# Altium PCB SX-SCPCB-038.PCB_DTMF密码锁模块PCB图V1.2.PcbDoc (part 1 of 2)
Units mm, origin at the board's own origin, x right, y up, seen from the top; angles counter-clockwise.
Board outline 230 x 100.2 mm, 2 copper layers (Top Layer, Bottom Layer); 112 components, 86 nets, 403 pads, 151 vias.
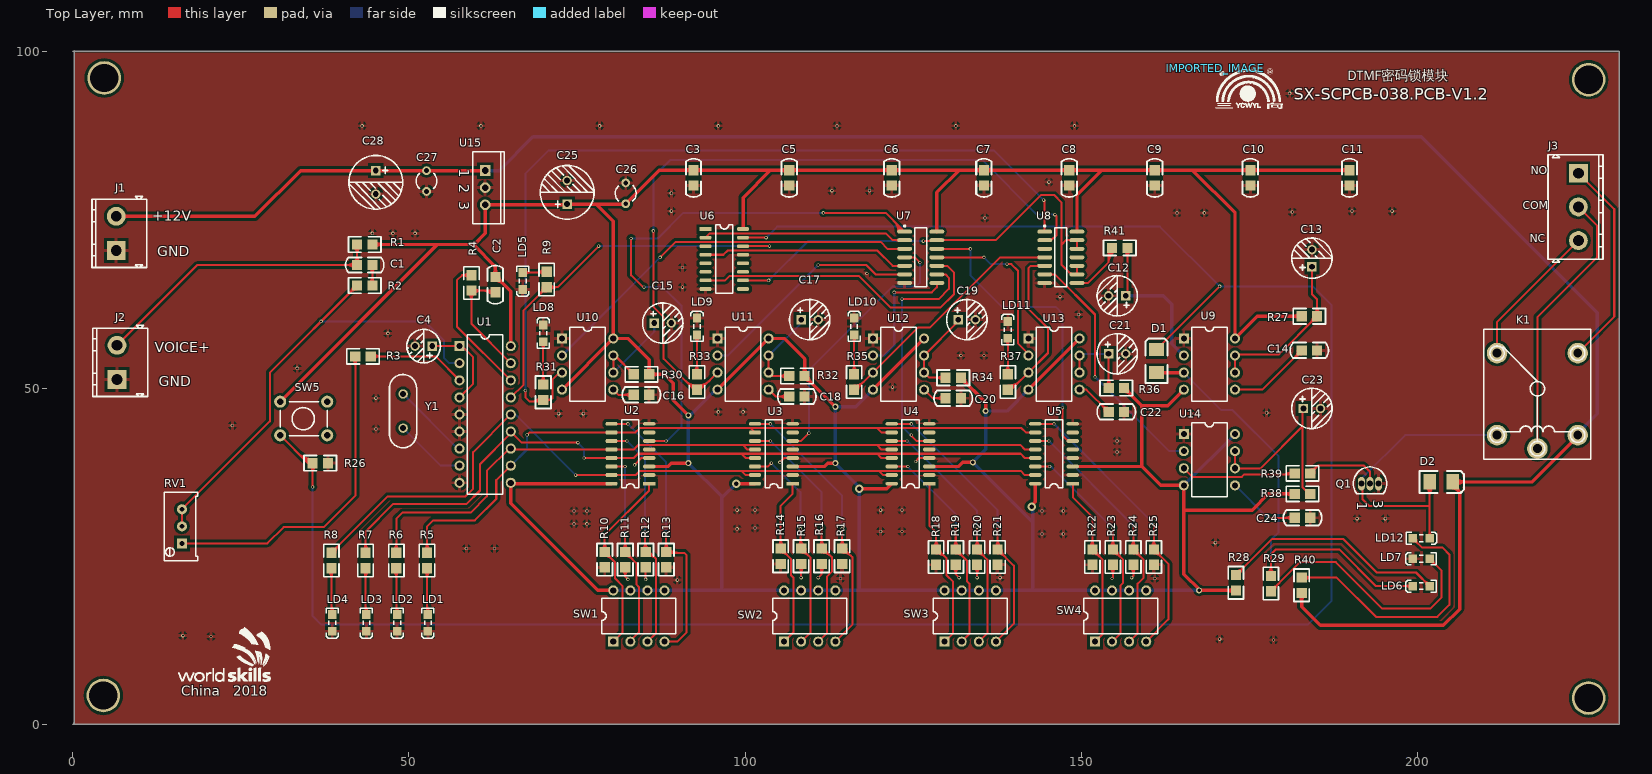
[diagram p0: Top Layer view]
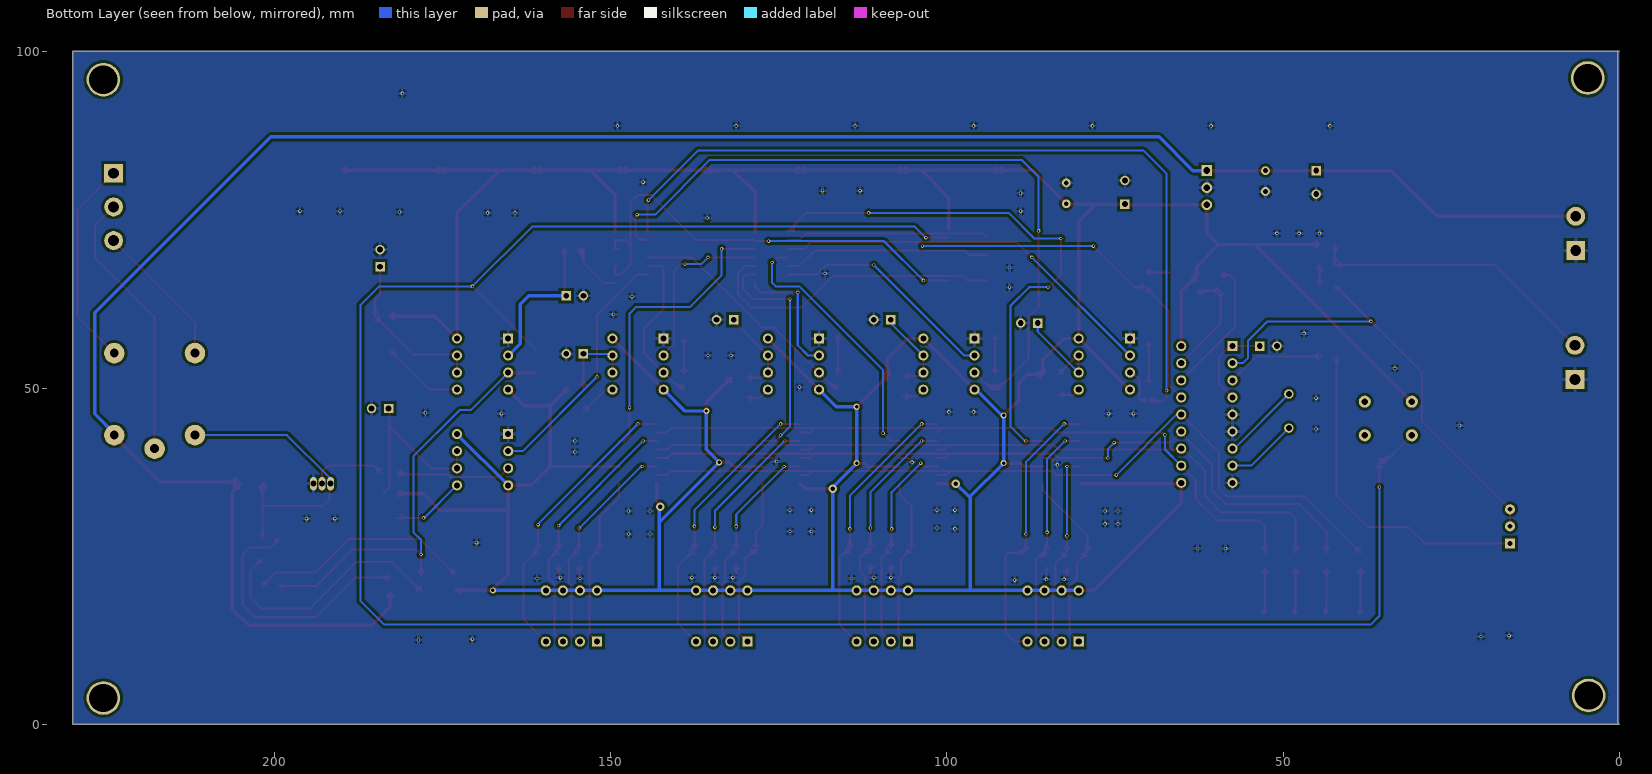
[diagram p1: Bottom Layer view, seen from below]

## Layer stack, top to bottom
Top Layer: signal copper 0.0356
Dielectric: dielectric 0.32, FR-4, Dk 4.8
Bottom Layer: signal copper 0.0356

## Board outline
0.254,100.203 0.254,0.254 0,0 229.997,0 229.997,100.076 0,100.076

## Design rules (kind name [scope] priority, off if disabled: settings)
Clearance [All] p1: gap=0.4
FabricationTestPointUsage TestPointUsage [All] p1: valid=0 allowmultiple=FALSE
FabricationTestpoint Testpoint [All] p1: side=3 testpointundercomponent=TRUE minsize=1.016 maxsize=2.54 preferedsize=1.524 minholesize=0 maxholesize=1.016 preferedholesize=0.813 testpointgrid=0.025 allowsidetop=TRUE allowsidebottom=TRUE usegrid=TRUE gridtolerance=0
PolygonConnect [All] p1: connectstyle=Relief reliefconductorwidth=0.5 reliefentries=4 polygonreliefangle="90 Angle"
RoutingVias [All] p1: holewidth=0.3 width=0.5 viastyle="Through Hole" minholewidth=0.3 minwidth=0.5 maxholewidth=0.711 maxwidth=1.27
SilkscreenOverComponentPads [All] p1: minsilkscreentomaskgap=0.254
SolderMaskExpansion [All] p1: expansion=0.102
Width [All] p1: maxlimit=0.5 minlimit=0.254 preferedwidth=0.254
25 further rules are at their usual default settings.

## Components (designator, comment, footprint, x,y, rotation, side; value= is the part's Value field where it differs from the comment)
C1 "Cap Semi" C0805-new 42.291,68.326 r270 top
C2 "Cap Semi" C0805-new 62.865,64.262 r0 top
C3 "100nF" c0805-new 92.329,80.137 r0 top
C4 "10uF" C_5_2.54 52.197,56.261 r180 top
C5 "100nF" c0805-new 106.553,80.137 r0 top
C6 "100nF" c0805-new 121.793,80.137 r0 top
C7 "100nF" c0805-new 135.509,80.137 r0 top
C8 "100nF" c0805-new 148.209,80.137 r0 top
C9 "100nF" c0805-new 160.909,80.137 r0 top
C10 "100nF" c0805-new 175.133,80.137 r0 top
C11 "100nF" c0805-new 189.865,80.137 r0 top
C12 "Cap Pol1" C_6.3_2.54 155.321,63.754 r180 top
C13 "Cap Pol1" C_6.3_2.54 184.277,69.342 r90 top
C14 "Cap Semi" C0805-new 182.753,55.626 r270 top
C15 "Cap Pol1" C_6.3_2.54 87.757,59.69 r0 top
C16 "Cap Semi" C0805-new 83.439,49.022 r270 top
C17 "Cap Pol1" C_6.3_2.54 109.601,60.198 r0 top
C18 "Cap Semi" C0805-new 106.553,48.768 r270 top
C19 "Cap Pol1" C_6.3_2.54 132.969,60.198 r0 top
C20 "Cap Semi" C0805-new 129.794,48.514 r270 top
C21 "Cap Pol1" C_6.3_2.54 155.321,55.118 r0 top
C22 "Cap Semi" C0805-new 154.051,46.482 r270 top
C23 "Cap Pol1" C_6.3_2.54 184.277,46.99 r0 top
C24 "Cap Semi" C0805-new 181.737,30.734 r270 top
C25 "100uF" C_8_3.5 73.533,79.134 r90 top
C26 "100nF" C38 82.169,78.754 r0 top
C27 "100nF" C38 52.705,81.041 r180 top
C28 "100nF" C_8_3.5 45.085,80.613 r270 top
D1 "1N4148" D 161.417,54.102 r90 top
D2 "1N4148" D 203.581,35.814 r0 top
IMPORTED_IMAGE "Comment" IMPORTED_IMAGE 169.907,97.563 r0 top
J1 "" KF301-5.0-2P 6.477,73.025 r90 top
J2 "TBLOCK-I2" KF301-5.0-2P 6.604,53.848 r90 top
J3 "TBLOCK-I3" KF301-5.0-3P 223.901,76.962 r270 top
K1 "Relay-SPDT" SRD-**-SL-C 217.805,41.021 r0 top
LD1 "LED" 0805 52.832,15.113 r270 top
LD2 "LED" 0805 48.26,15.113 r270 top
LD3 "LED" 0805 43.688,15.113 r270 top
LD4 "LED" 0805 38.608,15.113 r270 top
LD5 "LED" 0805 66.929,65.948 r270 top
LD6 "LED" 0805 200.533,20.574 r180 top
LD7 "LED" 0805 200.533,24.638 r180 top
LD8 "LED" 0805 69.977,58.166 r90 top
LD9 "LED" 0805 92.837,59.182 r90 top
LD10 "LED" 0805 116.205,59.182 r90 top
LD11 "LED" 0805 139.065,58.674 r90 top
LD12 "LED" 0805 200.533,27.686 r0 top
Q1 "BC337" TO-92A 192.913,35.814 r270 top
R1 "Res2" r0805 42.291,71.374 r270 top
R2 "Res2" r0805 44.577,65.278 r90 top
R3 "Res2" r0805 42.037,54.737 r270 top
R4 "Res2" r0805 59.309,66.802 r180 top
R5 "Res2" r0805 52.705,23.241 r0 top
R6 "Res2" r0805 48.133,23.241 r0 top
R7 "Res2" r0805 43.561,23.241 r0 top
R8 "Res2" r0805 38.481,23.241 r0 top
R9 "Res2" r0805 70.485,67.31 r180 top
R10 "Res2" r0805 79.121,23.368 r0 top
R11 "Res2" r0805 82.169,23.368 r0 top
R12 "Res2" r0805 85.217,23.368 r0 top
R13 "Res2" r0805 88.265,23.368 r0 top
R14 "Res2" r0805 105.283,23.876 r0 top
R15 "Res2" r0805 108.331,23.876 r0 top
R16 "Res2" r0805 111.379,23.876 r0 top
R17 "Res2" r0805 114.427,23.876 r0 top
R18 "Res2" r0805 128.397,23.749 r0 top
R19 "Res2" r0805 131.318,23.749 r0 top
R20 "Res2" r0805 134.493,23.749 r0 top
R21 "Res2" r0805 137.541,23.749 r0 top
R22 "Res2" r0805 151.638,23.749 r0 top
R23 "Res2" r0805 154.686,23.749 r0 top
R24 "Res2" r0805 157.734,23.749 r0 top
R25 "Res2" r0805 160.782,23.749 r0 top
R26 "Res2" r0805 37.973,38.862 r90 top
R27 "Res2" r0805 182.753,60.706 r270 top
R28 "Res2" r0805 172.974,19.927 r0 top
R29 "Res2" r0805 178.181,22.098 r180 top
R30 "Res2" r0805 85.725,52.07 r90 top
R31 "Res2" r0805 69.977,50.546 r180 top
R32 "Res2" r0805 108.839,51.816 r90 top
R33 "Res2" r0805 92.837,52.07 r180 top
R34 "Res2" r0805 132.08,51.562 r90 top
R35 "Res2" r0805 116.205,52.07 r180 top
R36 "Res2" r0805 156.337,50.038 r90 top
R37 "Res2" r0805 139.065,52.07 r180 top
R38 "Res2" r0805 181.737,34.29 r270 top
R39 "Res2" r0805 184.023,37.338 r90 top
R40 "Res2" r0805 182.753,19.558 r0 top
R41 "Res2" r0805 156.845,70.866 r90 top
RV1 "Res Tap" VRES19 16.256,29.464 r90 top
SW1 "DIPSW_4" P008 84.201,16.129 r0 top
SW2 "DIPSW_4" P008 109.601,16.129 r0 top
SW3 "DIPSW_4" P008 133.477,16.129 r0 top
SW4 "DIPSW_4" P008 155.829,16.129 r0 top
SW5 "SW-PB" KEY4X4 30.861,48.006 r0 top
U1 "CM8870" J018 61.341,46.101 r270 top
U2 "SN74HC85D" SOP16 85.725,35.814 r90 top
U3 "SN74HC85D" SOP16 107.061,35.814 r90 top
U4 "SN74HC85D" SOP16 127.381,35.814 r90 top
U5 "SN74HC85D" SOP16 148.717,35.814 r90 top
U6 "SN74HC4017D" SOP16 94.107,73.66 r270 top
U7 "SN74HC00D" D014_N 126.111,69.469 r0 top
U8 "SN74HC20D" D014_N 146.939,69.469 r0 top
U9 "NE555P" P008 169.037,53.594 r270 top
U10 "NE555P" P008 76.581,53.594 r270 top
U11 "NE555P" P008 99.695,53.594 r270 top
U12 "NE555P" P008 122.809,53.594 r270 top
U13 "NE555P" P008 145.923,53.594 r270 top
U14 "NE555P" P008 169.037,39.37 r270 top
U15 "7805" TO-220AB 61.341,79.822 r270 top
Y1 "3.58MHz" Y1 49.149,44.069 r90 top
? "Comment" WSC_logo 16.062,6.852 r0 top

## Footprints (in the part's own frame and the unit in brackets; to place one, negate y for a bottom-side part, rotate by r counter-clockwise, add the part's x,y. Pads: shape width x height; smd on the part's side, far side on the other; paste and mask are expansions set on the pad)
0805 [mm]
  rect 1.3x1.25 smd: 1(-1.25,0) 2(1.25,0)
  silkscreen extent -2.2,-0.9 2.3,0.9
C38 [mm]
  round 1.3 hole 0.7: 1(0.076,1.779) 2(0.076,-1.321)
  silkscreen extent -1.47,-0.96 1.62,1.39
C0805-new [mil]
  rect 60x60 smd: 1(0,0) 2(0,90)
  silkscreen extent -45,-67 45,157
c0805-new [mil]
  rect 60x60 smd: 1(0,0) 2(0,90)
  silkscreen extent -45,-67 45,157
C_5_2.54 [mil]
  rect 55x55 hole 34: 1(-50,0)
  round 55 hole 34: 2(50,0)
  silkscreen extent -98,-98 98,98
C_6.3_2.54 [mil]
  rect 55x55 hole 34: 1(-50,0)
  round 55 hole 34: 2(50,0)
  silkscreen extent -118,-118 118,118
C_8_3.5 [mil]
  rect 55x55 hole 34: 1(-68.9,0)
  round 55 hole 34: 2(68.9,0)
  silkscreen extent -157,-157 157,157
D [mil]
  rect 75x90 smd: 1(-70,10) 2(65,10)
  silkscreen extent -130,-55 130,75
D014_N [mm] "SOIC, 14-Leads, Body 8.7x3.9mm, Pitch 1.27m"
  oval 2.2x0.6 smd: 1(-2.4,3.81) 2(-2.4,2.54) 3(-2.4,1.27) 4(-2.4,0) 5(-2.4,-1.27) 6(-2.4,-2.54) 7(-2.4,-3.81) 8(2.4,-3.81) 9(2.4,-2.54) 10(2.4,-1.27) 11(2.4,0) 12(2.4,1.27) 13(2.4,2.54) 14(2.4,3.81)
  silkscreen extent -2.52,-4.4 0.9,4.78, body extent -1.95,-4.33 1.95,4.33, height 1.75
IMPORTED_IMAGE [mm]
  silkscreen extent 0,-6 10,0
J018 [mm]
  rect 1.5x1.5 hole 0.9: 1(-10.16,-3.81)
  round 1.5 hole 0.9: 2(-7.62,-3.81) 3(-5.08,-3.81) 4(-2.54,-3.81) 5(0,-3.81) 6(2.54,-3.81) 7(5.08,-3.81) 8(7.62,-3.81) 9(10.16,-3.81) 10(10.16,3.81) 11(7.62,3.81) 12(5.08,3.81) 13(2.54,3.81) 14(0,3.81) 15(-2.54,3.81) 16(-5.08,3.81) 17(-7.62,3.81) 18(-10.16,3.81)
  silkscreen extent -11.85,-2.65 11.85,2.65
KEY4X4 [mm]
  round 1.8 hole 1: 1(0,0) 2(0,-5) 3(7,0) 4(7,-5)
  silkscreen extent 0,-5.08 7,0
KF301-5.0-2P [mm]
  rect 2.8x2.8 hole 1.6: 1(-2.54,0)
  round 2.8 hole 1.6: 2(2.54,0)
  silkscreen extent -5.11,-4.55 5.51,3.61
KF301-5.0-3P [mm]
  rect 2.8x2.8 hole 1.6: 1(-5,0)
  round 2.8 hole 1.6: 2(0,0) 3(5,0)
  silkscreen extent -7.77,-4.51 8.23,3.68
P008 [mm] "DIP; 8 Leads; Row Spacing"
  rect 1.5x1.5 hole 0.9: 1(-3.81,-3.81)
  round 1.5 hole 0.9: 2(-1.27,-3.81) 3(1.27,-3.81) 4(3.81,-3.81) 5(3.81,3.81) 6(1.27,3.81) 7(-1.27,3.81) 8(-3.81,3.81)
  silkscreen extent -5.5,-2.65 5.5,2.65
r0805 [mil] "Axial"
  rect 60x60 smd: 1(0,0) 2(0,90)
  silkscreen extent -45,-50 45,140
SOP16 [mil]
  rect 22x72 smd: 1(0,0)
  oct 22x72 smd: 2(50,0) 3(100,0) 4(150,0) 5(200,0) 6(250,0) 7(300,0) 8(350,0) 9(350,220) 10(300,220) 11(250,220) 12(200,220) 13(150,220) 14(100,220) 15(50,220) 16(0,220)
  silkscreen extent -25,60 375,160, body extent -26,-3 376,233, height 67
SRD-**-SL-C [mil]
  round 120 hole 52: 1(0,0) 2(-236,559) 3(236,559) 4(-236,79) 5(236,79)
  silkscreen extent -314,-63 313,699
TO-92A [mm] "TO, Flat Index; 3 In-Line, Axial Leads; Body Dia. 4.5mm; Lea"
  oval 2x1 hole 0.9: 1(0,-1.27) 2(0,0) 3(0,1.27)
  silkscreen extent -2.48,-2.48 1.5,2.48
TO-220AB [mm] "TO, Thru-Hole, Vertical, Heatsink Mounted; 3 In-Li"
  rect 1.6x1.6 hole 1: 1(-2.54,0)
  round 1.6 hole 1: 2(0,0) 3(2.54,0)
  silkscreen extent -5.35,-1.85 5.35,2.85
VRES19 [mm]
  rect 1.5x1.5 hole 0.7: 1(-2.54,0)
  round 1.5 hole 0.7: 2(2.54,0) 3(0,0)
  silkscreen extent -5.08,-2.35 5.08,2.67
WSC_logo [mm]
  silkscreen extent -0.39,-0.4 13.38,7.6
Y1 [mil]
  round 55 hole 34: 1(0,0) 2(200,0)
  silkscreen extent -115,-80 314,80

## Part data
C1 C2 C14 C16 C18 C20 C22 C24: "Capacitor (Sem"
C12 C13 C15 C17 C19 C21 C23: "Polariz"
J3: library part He
LD1 LD2 LD3 LD4 LD5 LD6 LD7 LD8 LD9 LD10 LD11 LD12: library part LED0, "Typ"
Q1: library part 2N3904, "NPN General Purpose Amplifier"
R1 R2 R3 R4 R5 R6 R7 R8 R9 R10 R11 R12 R13 R14 R15 R16 R17 R18 R19 R20 R21 R22 R23 R24 R25 R26 R27 R28 R29 R30 R31 R32 R33 R34 R35 R36 R37 R38 R39 R40 R41: "Resistor"
RV1: library part R
SW1 SW2 SW3 SW4: library part "SW DIP-4", "DIP Switch, 4 Position, SPST"
U2 U3 U4 U5: library part SN74HC85AN, "4-Bit"
U6: library part SN74HC4017N, "Deca"
U7: "Quadruple 2-Input Positive-NAND Gate"
U8: "Dual 4-Input Positive-NAND Gate"
U9 U10 U11 U12 U13 U14: "Precision Timer"
U15: library part "Volt Reg", "Voltage Regulator"

## Free pads (board coordinates)
  round 5 hole 4.2: ""(4.572,4.318) ""(4.699,96.139) ""(225.425,3.937) ""(225.425,95.885)

## Via types
v1: diameter 0.5, hole 0.3, Top Layer to Bottom Layer, 141 vias
v2: diameter 0.9, hole 0.5, Top Layer to Bottom Layer, 7 vias
v3: diameter 1.27, hole 0.711, Top Layer to Bottom Layer, 3 vias

## Nets (pads, with @x,y where several pads share a name; then routed paths per layer and width w, separated by ;. In a path a pad name is that pad's centre, name@x,y a point inside that pad or via, vN(x,y) a via of type N, cw(c..) or ccw(c..) an arc to the next point about the centre after c; other vN are vias at no path point)
+12V: C27.2 C28.1 D2.2 J1.2 K1.5 R40.1 U15.1 | length 330.5
  Top Layer w0.5: J1.2@6.477,75.565 27.111,75.565 33.909,82.362 C28.1@45.085,82.362 C27.2@52.629,82.362 U15.1@61.341,82.362 ; R40.1@182.391,19.196 cw(c181.517,18.322) 182.753,18.322 cw(c183.989,18.322) R40.1@183.115,19.196 ; R40.1@182.753,19.558 182.753,17.526 185.547,14.732 203.835,14.732 206.248,17.145 206.248,34.544 ; D2.2@204.978,35.814 206.248,34.544 ; D2.2@205.232,35.175 cw(c205.232,34.246) 205.889,34.903 ; D2.2@205.232,36.068 217.031,36.068 223.799,42.836 K1.5@223.799,43.028 ; D2.2@205.729,35.571 cw(c206.928,34.372) 206.928,36.068 cw(c206.928,37.764) D2.2@205.729,36.565 ; D2.2@205.916,35.716 ccw(c207.132,35.428) 206.248,34.544
  Bottom Layer w0.5: U15.1@61.341,82.362 63.439,82.362 68.453,87.376 200.533,87.376 226.695,61.214 226.695,46.177 K1.5@223.545,43.028
ENABLE_1: U6.2 U7.2 | length 30.9
  Top Layer w0.3: U6.2@94.107,72.39 94.742,73.025 120.904,73.025 121.92,72.009 U7.2@123.711,72.009 ; U7.2@122.805,71.903 ccw(c122.549,71.647) 122.549,72.009 ccw(c122.549,72.371) U7.2@122.805,72.115
ENABLE_2: U6.4 U7.5 | length 31.3
  Top Layer w0.3: U6.4@94.107,69.85 96.774,69.85 97.409,70.485 119.634,70.485 121.92,68.199 U7.5@123.711,68.199 ; U6.4@94.833,69.759 cw(c95.054,69.538) 95.054,69.85 cw(c95.054,70.162) U6.4@94.833,69.942
ENABLE_3: U6.7 U7.10 | length 46.6
  Top Layer w0.3: U6.7@94.107,66.04 97.028,66.04 97.663,66.675 116.967,66.675 121.666,61.976 129.032,61.976 131.064,64.008 131.064,67.183 130.048,68.199 U7.10@128.511,68.199 ; U6.7@94.833,65.949 cw(c95.054,65.728) 95.054,66.04 cw(c95.054,66.352) U6.7@94.833,66.132
ENABLE_4: U6.10 U7.13 U8.9 U8.10 U8.12 U8.13 | length 74.2
  Top Layer w0.3: U6.10@99.695,66.04 v1(103.505,66.04) ; v1(126.492,71.882) 128.384,71.882 U7.13@128.511,72.009 137.287,72.009 144.018,78.74 145.923,78.74 147.066,77.597 147.066,71.374 ; 148.153,67.239 ccw(c148.539,67.625) U8.9@148.539,67.079 ; U8.13@148.433,71.903 ccw(c148.177,71.647) 148.177,72.009 ccw(c148.177,72.371) U8.13@148.433,72.115 ; U8.12@148.717,70.739 U8.12@149.339,70.739 U8.13@149.339,72.009 147.701,72.009 147.066,71.374 ; U8.9@149.233,67.035 ccw(c148.977,67.291) 149.339,67.291 ccw(c149.701,67.291) U8.9@149.445,67.035 ; U8.10@149.233,68.093 cw(c148.977,67.837) 149.339,67.837 cw(c149.701,67.837) U8.10@149.445,68.093 ; U8.12@149.233,70.845 ccw(c148.977,71.101) 149.339,71.101 ccw(c149.701,71.101) U8.12@149.445,70.845 ; U8.13@149.233,71.903 cw(c148.977,71.647) 149.339,71.647 cw(c149.701,71.647) U8.13@149.445,71.903 ; U8.10@149.339,68.199 U8.9@149.339,66.929 148.463,66.929 147.066,68.326 147.066,71.374
  Bottom Layer w0.3: v1(103.505,66.04) 109.347,71.882 v1(126.492,71.882)
GND: C3.1 C4.2 C5.1 C6.1 C7.1 C8.1 C9.1 C10.1 C11.1 C12.2 C13.2 C14.2 C15.2 C16.2 C17.2 C18.2 C19.2 C20.2 C21.2 C22.2 C23.2 C24.2 C25.2 C26.1 C27.1 C28.2 J1.1 J2.1 LD1.2 LD2.2 LD3.2 LD4.2 LD5.2 LD7.2 LD8.2 LD9.2 LD10.2 LD11.2 Q1.3 R10.1 R11.1 R12.1 R13.1 R14.1 R15.1 R16.1 R17.1 R18.1 R19.1 R20.1 R21.1 R22.1 R23.1 R24.1 R25.1 R26.1 U1.5 U1.6 U1.9 U2.2 U2.4 U2.8 U3.2 U3.4 U3.8 U4.2 U4.4 U4.8 U5.2 U5.4 U5.8 U6.8 U6.13 U7.7 U8.7 U9.1 U10.1 U11.1 U12.1 U13.1 U14.1 U15.2 | length 39
  Top Layer w0.3: R11.1@81.754,22.918 cw(c80.881,21.971) 82.169,21.971 ; R11.1@82.169,23.368 82.169,21.971 ; v1(82.55,21.59) 82.169,21.971 ; R11.1@82.584,22.918 ccw(c83.457,21.971) 82.169,21.971 ; v1(83.566,38.608) 84.582,39.624 U2.4@85.725,39.624 ; v1(85.217,21.59) R12.1@85.217,23.368 ; v1(105.156,38.989) 105.791,39.624 U3.4@107.061,39.624 ; R15.1@107.898,23.443 cw(c106.854,22.399) 108.331,22.399 cw(c109.809,22.399) R15.1@108.764,23.443 ; v1(108.331,21.844) R15.1@108.331,23.876 ; v1(110.871,21.844) 111.379,22.352 R16.1@111.379,23.876 ; R16.1@110.946,23.443 cw(c109.902,22.399) 111.379,22.399 cw(c112.857,22.399) R16.1@111.812,23.443 ; v1(125.349,39.116) 125.857,39.624 U4.4@127.381,39.624 ; R19.1@130.903,23.299 cw(c130.03,22.352) 131.318,22.352 ; R19.1@131.318,23.749 131.318,22.352 ; R19.1@131.733,23.299 ccw(c132.606,22.352) 131.318,22.352 ; v1(131.826,21.844) 131.318,22.352 ; R20.1@134.06,23.316 cw(c133.016,22.272) 134.493,22.272 cw(c135.971,22.272) R20.1@134.926,23.316 ; v1(134.493,21.844) R20.1@134.493,23.749 ; R23.1@154.253,23.316 cw(c153.209,22.272) 154.686,22.272 cw(c156.164,22.272) R23.1@155.119,23.316 ; v1(154.559,21.717) 154.686,21.844 R23.1@154.686,23.749 ; R24.1@157.301,23.316 cw(c156.257,22.272) 157.734,22.272 cw(c159.212,22.272) R24.1@158.167,23.316 ; v1(157.48,21.844) 157.734,22.098 R24.1@157.734,23.749
  other v1: 178.562,12.573 170.561,12.7 20.574,13.081 16.383,13.208 89.916,21.463 114.173,21.717 160.909,21.717 137.922,21.844 58.547,26.162 62.738,26.162 169.926,27.051 144.145,28.321 147.32,28.321 120.142,28.702 123.317,28.702 98.806,29.083 101.473,29.21 74.549,29.845 76.454,29.845 191.008,30.607 195.199,30.607 74.549,31.75 76.454,31.75 144.145,31.75 147.32,31.75 98.806,31.877 101.473,31.877 120.142,31.877 123.317,31.877 155.321,40.513 155.321,42.164 45.085,43.942 23.749,44.45 72.263,46.228 75.946,46.228 166.243,46.228 177.546,46.355 96.012,46.482 99.695,46.482 45.085,48.514 121.92,50.165 33.401,52.959 132.08,54.864 135.509,54.864 46.863,58.166 149.606,60.96 146.812,63.627 90.678,65.024 118.11,67.056 90.678,67.945 44.577,73.025 47.625,73.025 50.927,73.025 135.636,75.311 164.211,76.073 168.275,76.073 181.356,76.2 89.027,76.327 190.246,76.327 196.215,76.327 89.027,78.994 112.903,79.375 118.491,79.375 145.161,80.645 43.053,89.027 60.706,89.027 78.359,89.027 96.012,89.027 113.665,89.027 131.318,89.027 148.971,89.027 180.975,93.853
KEY_1: R31.2 U8.1 U10.3 | length 134.3
  Top Layer w0.3: v1(67.31,49.657) 67.31,48.641 67.945,48.006 ; 68.649,48.006 ccw(c68.649,49.535) R31.2@69.752,48.476 ; 69.113,48.006 cw(c69.113,47.396) R31.2@69.544,47.827 ; R31.2@69.536,48.684 cw(c67.945,50.211) 67.945,48.006 ; R31.2@69.977,48.277 R31.2@69.977,48.26 ; R31.2@70.486,47.921 cw(c71.12,47.499) 71.12,48.26 ; R31.2@70.486,48.599 ccw(c71.12,49.021) 71.12,48.26 ; U10.3@72.771,52.324 72.39,52.324 71.374,51.308 71.374,48.514 71.12,48.26 ; v1(144.399,77.978) 144.539,77.838 U8.1@144.539,73.279 ; U8.1@144.433,73.385 ccw(c144.177,73.641) 144.539,73.641 ccw(c144.901,73.641) U8.1@144.645,73.385 ; 67.945,48.006 69.723,48.006 R31.2@69.977,48.26 ; R31.2@69.977,48.26 71.12,48.26
  Bottom Layer w0.3: v1(67.31,49.657) 67.31,81.915 70.739,85.344 137.033,85.344 v1(144.399,77.978)
KEY_2: R33.2 U8.2 U11.3 | length 116.9
  Top Layer w0.3: v1(86.36,73.406) 86.36,62.103 87.884,60.579 87.884,54.356 92.456,49.784 R33.2@92.837,49.784 93.345,49.784 U11.3@95.885,52.324 ; 91.142,51.098 ccw(c92.837,52.793) 92.837,50.396 ccw(c92.837,53.1) 94.749,51.188 ; 91.654,50.586 ccw(c92.837,51.769) 92.837,50.096 ccw(c92.837,52.076) 94.237,50.676 ; 92.062,50.178 cw(c91.667,49.784) R33.2@92.225,49.784 ; R33.2@92.837,49.796 ccw(c92.837,51.051) 93.725,50.164 ; U8.2@144.539,72.009 145.542,72.009 146.304,72.771 146.304,75.565 v1(146.05,75.819) ; U8.2@145.339,72.159 ccw(c145.339,73.011) 145.942,72.409
  Bottom Layer w0.3: v1(86.36,73.406) 86.36,81.407 88.9,83.947 135.255,83.947 143.383,75.819 v1(146.05,75.819)
KEY_3: R35.2 U8.4 U12.3 | length 40.5
  Top Layer w0.3: R35.2@116.205,49.784 116.459,49.784 U12.3@118.999,52.324 125.73,59.055 127.508,59.055 137.922,69.469 U8.4@144.539,69.469 ; R35.2@116.205,50.096 ccw(c116.205,51.462) 117.171,50.496 ; R35.2@116.205,50.396 ccw(c116.205,52.487) 117.683,51.008 ; R35.2@116.817,49.784 cw(c117.681,49.784) 117.07,50.395 ; U8.4@143.633,69.363 ccw(c143.377,69.107) 143.377,69.469 ccw(c143.377,69.831) U8.4@143.633,69.575
KEY_4: R37.2 U8.5 U13.3 | length 29.8
  Top Layer w0.3: R37.2@139.065,49.784 139.573,49.784 U13.3@142.113,52.324 145.034,55.245 145.034,58.928 142.113,61.849 142.113,67.818 142.494,68.199 U8.5@144.539,68.199 ; R37.2@139.065,49.796 ccw(c139.065,51.051) 139.953,50.164 ; R37.2@139.065,50.096 ccw(c139.065,52.076) 140.465,50.676 ; R37.2@139.065,50.396 ccw(c139.065,53.1) 140.977,51.188 ; U8.5@143.633,68.093 ccw(c143.377,67.837) 143.377,68.199 ccw(c143.377,68.561) U8.5@143.633,68.305
NetC1_1: C1.1 J2.2 R1.1 | length 50.6
  Top Layer w0.3: J2.2@6.604,56.388 18.542,68.326 C1.1@42.291,68.326 R1.1@42.291,71.374 ; C1.1@41.858,67.893 ccw(c40.813,66.848) 40.813,68.326 ccw(c40.814,69.803) 41.858,68.759 ccw(c40.814,69.803) 42.291,69.803 ccw(c43.769,69.804) C1.1@42.724,68.759 ; R1.1@41.858,70.941 cw(c40.813,69.896) 42.291,69.896 cw(c43.768,69.896) R1.1@42.724,70.941
NetC1_2: C1.2 R2.1 | length 7.7
  Top Layer w0.3: R2.1@44.144,65.711 ccw(c43.099,66.756) 44.577,66.756 ccw(c46.054,66.755) R2.1@45.01,65.711 ; C1.2@44.144,67.893 cw(c43.099,66.848) 44.577,66.848 cw(c46.054,66.848) C1.2@45.01,67.893 ; R2.1@44.577,65.278 C1.2@44.577,68.326
NetC2_1: C2.1 R4.2 U1.17 | length 25.1
  Top Layer w0.3: R4.2@58.876,64.083 cw(c57.831,63.038) 59.309,63.038 cw(c60.786,63.038) 59.742,64.083 cw(c60.786,63.038) 60.786,64.516 cw(c60.786,65.993) R4.2@59.742,64.949 ; 60.774,64.516 cw(c60.774,62.171) C2.1@62.432,63.829 ; 61.499,64.516 cw(c61.499,62.896) C2.1@62.644,64.041 ; 62.001,64.516 ccw(c62.001,65.126) C2.1@62.432,64.695 ; C2.1@62.865,64.262 62.611,64.516 R4.2@59.309,64.516 59.309,59.563 U1.17@65.151,53.721
NetC4_1: C4.1 U1.1 U1.4 | length 13.6
  Top Layer w0.3: C4.1@53.467,56.261 U1.1@57.531,56.261 57.912,56.261 59.563,54.61 59.563,50.673 U1.4@57.531,48.641
NetC12_1: C12.1 R41.1 U9.2 | length 25.5
  Top Layer w0.3: C12.1@156.337,64.008 C12.1@156.591,63.754 ; R41.1@156.412,70.433 cw(c155.367,69.389) 156.845,69.389 cw(c158.322,69.389) R41.1@157.278,70.433 ; C12.1@156.845,63.754 R41.1@156.845,70.866
  Bottom Layer w0.5: C12.1@156.591,63.754 162.179,63.754 163.449,62.484 163.449,56.642 U9.2@165.227,54.864
NetC13_1: C13.1 R27.2 U9.6 U9.7 | length 29.5
  Top Layer w0.3: U9.6@172.847,52.324 172.847,54.991 177.705,54.991 179.324,54.991 R27.2@185.039,60.706 185.039,63.246 184.277,64.008 C13.1@184.277,68.072 ; R27.2@184.427,60.706 cw(c182.95,60.706) 183.994,59.661 cw(c185.039,58.616) R27.2@185.039,60.094 ; R27.2@184.606,61.139 ccw(c183.562,62.183) 185.039,62.183 ccw(c186.517,62.183) R27.2@185.472,61.139
NetC14_1: C14.1 U9.5 | length 14.6
  Top Layer w0.3: U9.5@172.847,49.784 176.911,49.784 C14.1@182.753,55.626 ; C14.1@182.141,55.626 cw(c180.664,55.626) 181.708,54.581 cw(c182.753,53.536) C14.1@182.753,55.014
NetC15_1: 
NetC16_1: C16.1 U10.5 | length 5.7
  Top Layer w0.3: U10.5@80.391,49.784 81.153,49.022 C16.1@83.439,49.022 ; C16.1@83.006,48.589 ccw(c81.962,47.544) 81.962,49.022 ccw(c81.962,50.499) C16.1@83.006,49.455
NetC17_1: C17.1 R32.2 U11.6 U11.7 | length 15.5
  Top Layer w0.3: U11.7@103.505,54.864 U11.6@103.505,52.324 104.013,51.816 R32.2@106.553,51.816 ; R32.2@106.12,51.383 ccw(c105.075,50.339) 105.075,51.816 ccw(c105.075,53.294) R32.2@106.12,52.249
  Bottom Layer w0.3: U11.7@103.505,54.864 108.331,59.69 C17.1@108.331,60.198
NetC18_1: C18.1 U11.5 | length 5.8
  Top Layer w0.3: U11.5@103.505,49.784 104.521,48.768 C18.1@106.553,48.768 ; C18.1@106.12,48.335 ccw(c105.076,47.29) 105.076,48.768 ccw(c105.076,50.245) C18.1@106.12,49.201
NetC19_1: C19.1 R34.2 U12.6 U12.7 | length 15.8
  Top Layer w0.3: R34.2@129.361,51.129 ccw(c128.316,50.085) 128.316,51.562 ccw(c128.316,53.04) R34.2@129.361,51.995 ; R34.2@129.794,51.562 127.381,51.562 U12.6@126.619,52.324 U12.7@126.619,54.864 131.699,59.944 C19.1@131.699,60.198
NetC20_1: C20.1 U12.5 | length 6
  Top Layer w0.3: U12.5@126.619,49.784 127.889,48.514 C20.1@129.794,48.514 ; C20.1@129.361,48.081 ccw(c128.317,47.036) 128.317,48.514 ccw(c128.317,49.991) C20.1@129.361,48.947
NetC21_1: C21.1 R36.2 U13.6 U13.7 | length 14.4
  Top Layer w0.3: U13.6@149.733,52.324 U13.7@149.733,54.864 ; R36.2@153.618,50.471 ccw(c152.573,51.516) 154.051,51.516 ccw(c155.528,51.515) R36.2@154.484,50.471 ; R36.2@154.051,50.038 C21.1@154.051,55.118
  Bottom Layer w0.3: U13.7@149.733,54.864 149.987,55.118 C21.1@154.051,55.118
NetC22_1: C22.1 U13.5 | length 8
  Top Layer w0.3: U13.5@149.733,49.784 150.749,49.784 C22.1@154.051,46.482 ; C22.1@153.439,46.482 ccw(c151.962,46.482) 153.006,47.527 ccw(c154.051,48.571) C22.1@154.051,47.094
NetC23_1: C23.1 R38.2 U14.6 U14.7 | length 28.3
  Top Layer w0.3: U14.7@172.847,40.64 U14.6@172.847,38.1 176.657,38.1 182.88,44.323 ; C23.1@183.007,46.99 182.88,46.863 182.88,44.323 ; R38.2@183.896,34.29 182.88,35.306 182.88,44.323
NetC24_1: C24.1 U14.5 | length 13.2
  Top Layer w0.3: v1(177.8,30.734) C24.1@181.737,30.734 ; C24.1@181.304,30.301 ccw(c180.259,29.256) 180.259,30.734 ccw(c180.26,32.211) C24.1@181.304,31.167
  Bottom Layer w0.3: U14.5@172.847,35.56 177.673,30.734 v1(177.8,30.734)
NetD1_1: D1.1 LD6.2 R29.1 U9.3 | length 69.4
  Top Layer w0.3: R29.1@177.748,22.531 ccw(c176.703,23.576) 178.181,23.576 ccw(c179.658,23.575) R29.1@178.614,22.531 ; R29.1@178.181,22.098 v1(178.181,25.273) 178.943,26.035 188.341,26.035 193.802,20.574 LD6.2@199.283,20.574 ; LD6.2@198.922,20.238 ccw(c198.111,19.427) 198.111,20.574 ccw(c198.111,21.721) LD6.2@198.922,20.91
  Top Layer w0.5: D1.1@161.163,52.324 U9.3@165.227,52.324
  Bottom Layer w0.3: U9.3@165.227,52.324 170.815,46.736 172.466,46.736 179.324,39.878 179.324,28.575 178.181,27.432 v1(178.181,25.273)
NetD2_1: D2.1 K1.4 LD12.2 Q1.1 | length 51.5
  Top Layer w0.3: Q1.1@191.643,35.814 191.77,35.687 191.77,33.528 192.786,32.512 201.783,32.512 ; D2.1@201.236,35.31 cw(c199.914,33.988) 201.783,33.988 ; LD12.2@201.447,28.022 ccw(c200.636,28.833) 201.783,28.833 ccw(c202.93,28.833) LD12.2@202.119,28.022 ; D2.1@201.448,35.522 cw(c200.638,34.713) 201.783,34.713 ; LD12.2@201.783,27.686 201.783,32.512 ; 201.783,33.892 cw(c203.789,33.892) D2.1@202.37,35.31 ; 201.783,34.616 cw(c203.064,34.616) D2.1@202.158,35.522 ; D2.1@201.783,36.048 201.783,35.58 201.783,32.512
  Top Layer w0.5: D2.1@201.549,35.814 D2.1@201.783,35.58
  Bottom Layer w0.3: Q1.1@191.643,35.814 191.863,36.034 191.863,36.749 198.142,43.028 K1.4@211.557,43.028
NetJ3_1: J3.1 K1.3 | length 31.2
  Top Layer w0.3: K1.3@223.799,55.22 229.235,60.655 229.235,76.628 J3.1@223.901,81.962
NetJ3_2: J3.2 K1.1 | length 40.8
  Top Layer w0.3: K1.1@217.805,41.021 217.805,60.579 226.695,69.469 226.695,74.168 J3.2@223.901,76.962
NetJ3_3: J3.3 K1.2 | length 21.8
  Top Layer w0.3: K1.2@211.811,55.22 211.811,59.872 J3.3@223.901,71.962
NetLD1_1: LD1.1 R5.1 | length 11.7
  Top Layer w0.3: R5.1@52.272,22.808 cw(c51.228,21.764) 52.705,21.764 cw(c54.183,21.764) R5.1@53.138,22.808 ; LD1.1@52.496,16.724 ccw(c51.992,17.228) 52.705,17.228 ; 52.705,17.117 ccw(c53.561,17.117) LD1.1@52.956,16.512 ; 52.705,17.841 ccw(c54.285,17.841) LD1.1@53.168,16.724 ; R5.1@52.705,23.241 52.705,16.49 LD1.1@52.832,16.363
NetLD2_1: LD2.1 R6.1 | length 11.7
  Top Layer w0.3: R6.1@47.7,22.808 cw(c46.656,21.764) 48.133,21.764 cw(c49.611,21.764) R6.1@48.566,22.808 ; LD2.1@47.924,16.724 ccw(c47.42,17.228) 48.133,17.228 ; 48.133,17.117 ccw(c48.989,17.117) LD2.1@48.384,16.512 ; 48.133,17.841 ccw(c49.713,17.841) LD2.1@48.596,16.724 ; R6.1@48.133,23.241 48.133,16.49 LD2.1@48.26,16.363
NetLD3_1: LD3.1 R7.1 | length 11.7
  Top Layer w0.3: R7.1@43.128,22.808 cw(c42.084,21.764) 43.561,21.764 cw(c45.039,21.764) R7.1@43.994,22.808 ; LD3.1@43.352,16.724 ccw(c42.848,17.228) 43.561,17.228 ; 43.561,17.117 ccw(c44.417,17.117) LD3.1@43.812,16.512 ; 43.561,17.841 ccw(c45.141,17.841) LD3.1@44.024,16.724 ; R7.1@43.561,23.241 43.561,16.49 LD3.1@43.688,16.363
NetLD4_1: LD4.1 R8.1 | length 11.7
  Top Layer w0.3: R8.1@38.048,22.808 cw(c37.004,21.764) 38.481,21.764 cw(c39.959,21.764) R8.1@38.914,22.808 ; LD4.1@38.272,16.724 ccw(c37.768,17.228) 38.481,17.228 ; 38.481,17.117 ccw(c39.337,17.117) LD4.1@38.732,16.512 ; 38.481,17.841 ccw(c40.061,17.841) LD4.1@38.944,16.724 ; R8.1@38.481,23.241 38.481,16.49 LD4.1@38.608,16.363
NetLD5_1: LD5.1 R9.1 | length 8.6
  Top Layer w0.3: LD5.1@66.929,67.198 70.373,67.198 R9.1@70.485,67.31 ; LD5.1@67.265,66.862 cw(c68.076,66.051) 68.076,67.198 cw(c68.076,68.345) LD5.1@67.265,67.534 ; 68.737,67.198 ccw(c68.737,69.058) R9.1@70.052,67.743 ; 69.278,67.198 cw(c69.278,66.103) R9.1@70.052,66.877 ; 69.461,67.198 ccw(c69.461,68.334) R9.1@70.264,67.531
NetLD6_1: LD6.1 R28.2 | length 38
  Top Layer w0.3: R28.2@172.974,22.213 178.32,27.559 188.976,27.559 193.929,22.606 199.751,22.606 LD6.1@201.783,20.574 ; R28.2@172.974,22.825 ccw(c172.974,24.302) 174.019,23.258 ccw(c175.064,22.213) R28.2@173.586,22.213 ; 200.929,21.428 cw(c200.076,20.574) LD6.1@201.283,20.574 ; 200.99,21.367 ccw(c201.758,22.135) LD6.1@201.758,21.049
NetLD7_1: LD7.1 R29.2 | length 41.9
  Top Layer w0.3: R29.2@178.181,19.812 178.197,19.812 179.493,21.108 179.493,21.124 182.499,24.13 187.833,24.13 194.691,17.272 201.93,17.272 203.581,18.923 203.581,22.84 LD7.1@201.783,24.638 ; R29.2@178.181,20.124 ccw(c178.181,20.915) R29.2@178.741,20.356 ; R29.2@178.181,20.424 ccw(c178.181,21.94) 179.253,20.868 ; R29.2@178.793,19.812 cw(c180.232,19.812) 179.215,20.83 ; LD7.1@201.808,24.163 cw(c201.808,23.077) 202.576,23.845 ; LD7.1@202.283,24.638 ccw(c203.49,24.638) 202.637,23.784
NetLD8_1: LD8.1 R31.1 | length 10.5
  Top Layer w0.3: R31.1@69.544,50.979 ccw(c68.499,52.024) 69.977,52.024 ccw(c71.454,52.023) R31.1@70.41,50.979 ; LD8.1@69.641,56.555 cw(c68.83,55.744) 69.977,55.744 cw(c71.124,55.744) LD8.1@70.313,56.555 ; R31.1@69.977,50.546 LD8.1@69.977,56.916
NetLD9_1: LD9.1 R33.1 | length 10
  Top Layer w0.3: R33.1@92.404,52.503 ccw(c91.359,53.547) 92.837,53.547 ccw(c94.314,53.547) R33.1@93.27,52.503 ; LD9.1@92.501,57.571 cw(c91.69,56.76) 92.837,56.76 cw(c93.984,56.76) LD9.1@93.173,57.571 ; R33.1@92.837,52.07 LD9.1@92.837,57.932
NetLD10_1: LD10.1 R35.1 | length 10
  Top Layer w0.3: R35.1@115.772,52.503 ccw(c114.727,53.547) 116.205,53.547 ccw(c117.682,53.547) R35.1@116.638,52.503 ; LD10.1@115.869,57.571 cw(c115.058,56.76) 116.205,56.76 cw(c117.352,56.76) LD10.1@116.541,57.571 ; R35.1@116.205,52.07 LD10.1@116.205,57.932